# Altium PCB BetaPCB.PcbDoc (part 1 of 2) (continued)
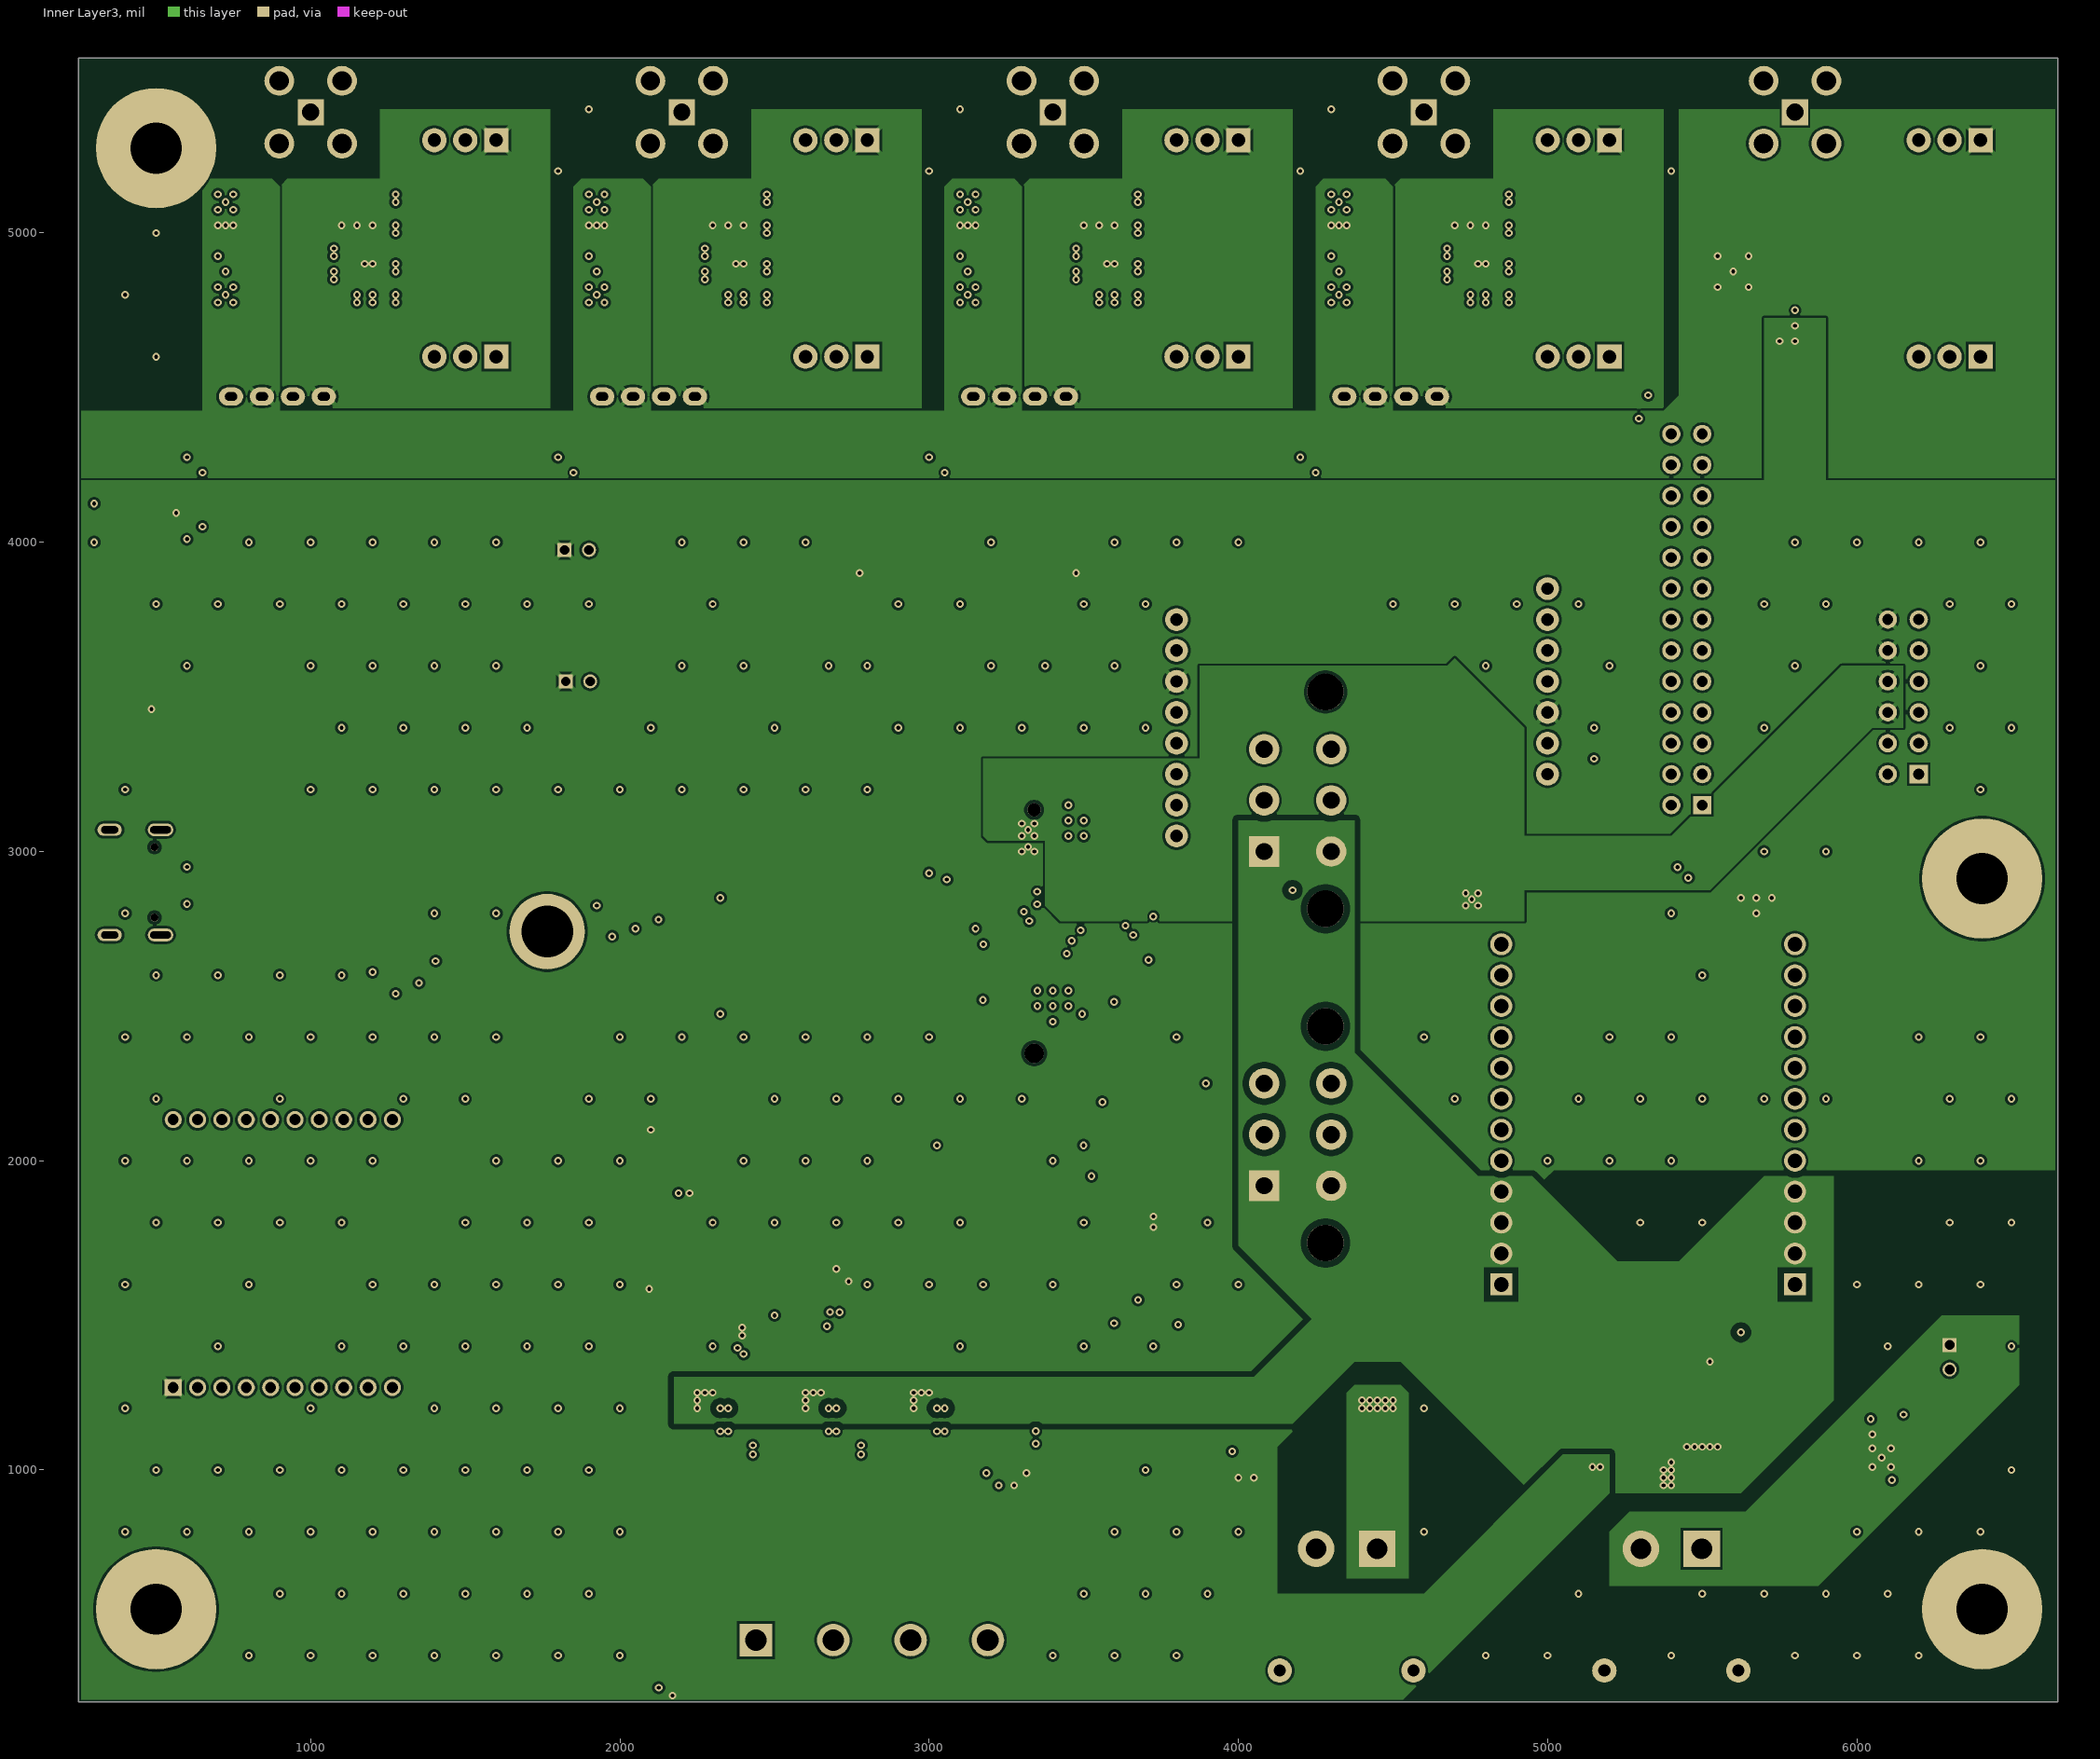
[diagram p3: Inner Layer3]
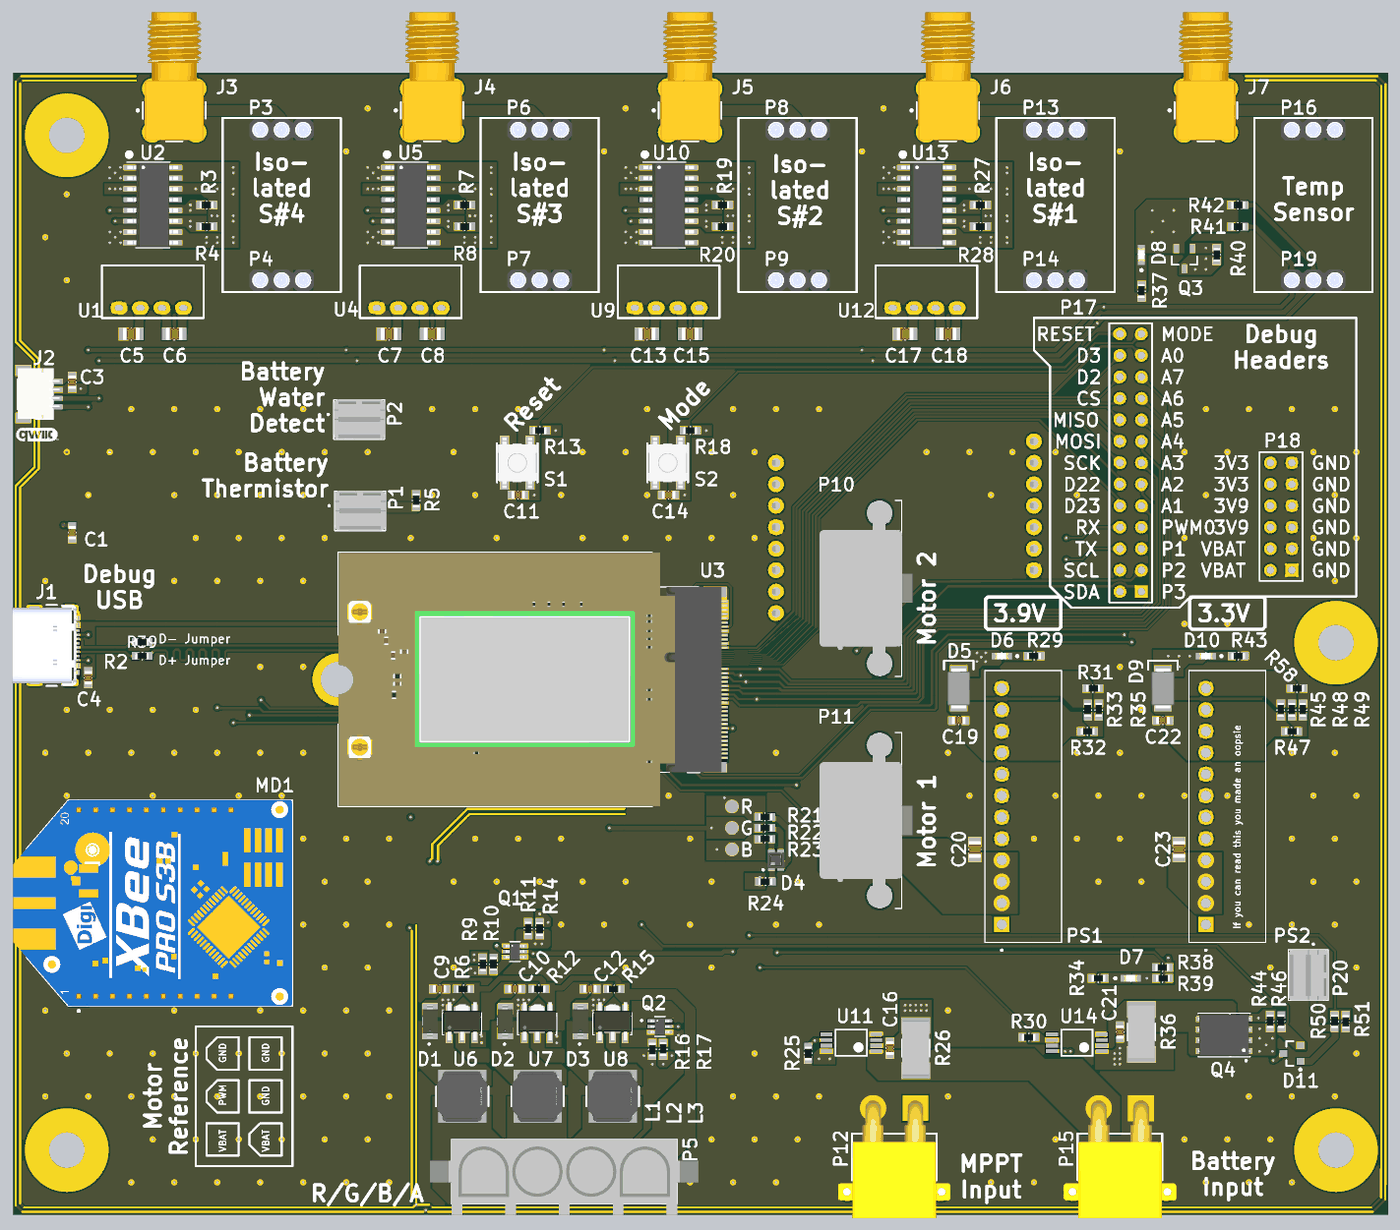
[diagram p5: 3D render of the assembled board from above, using the file's embedded part models]
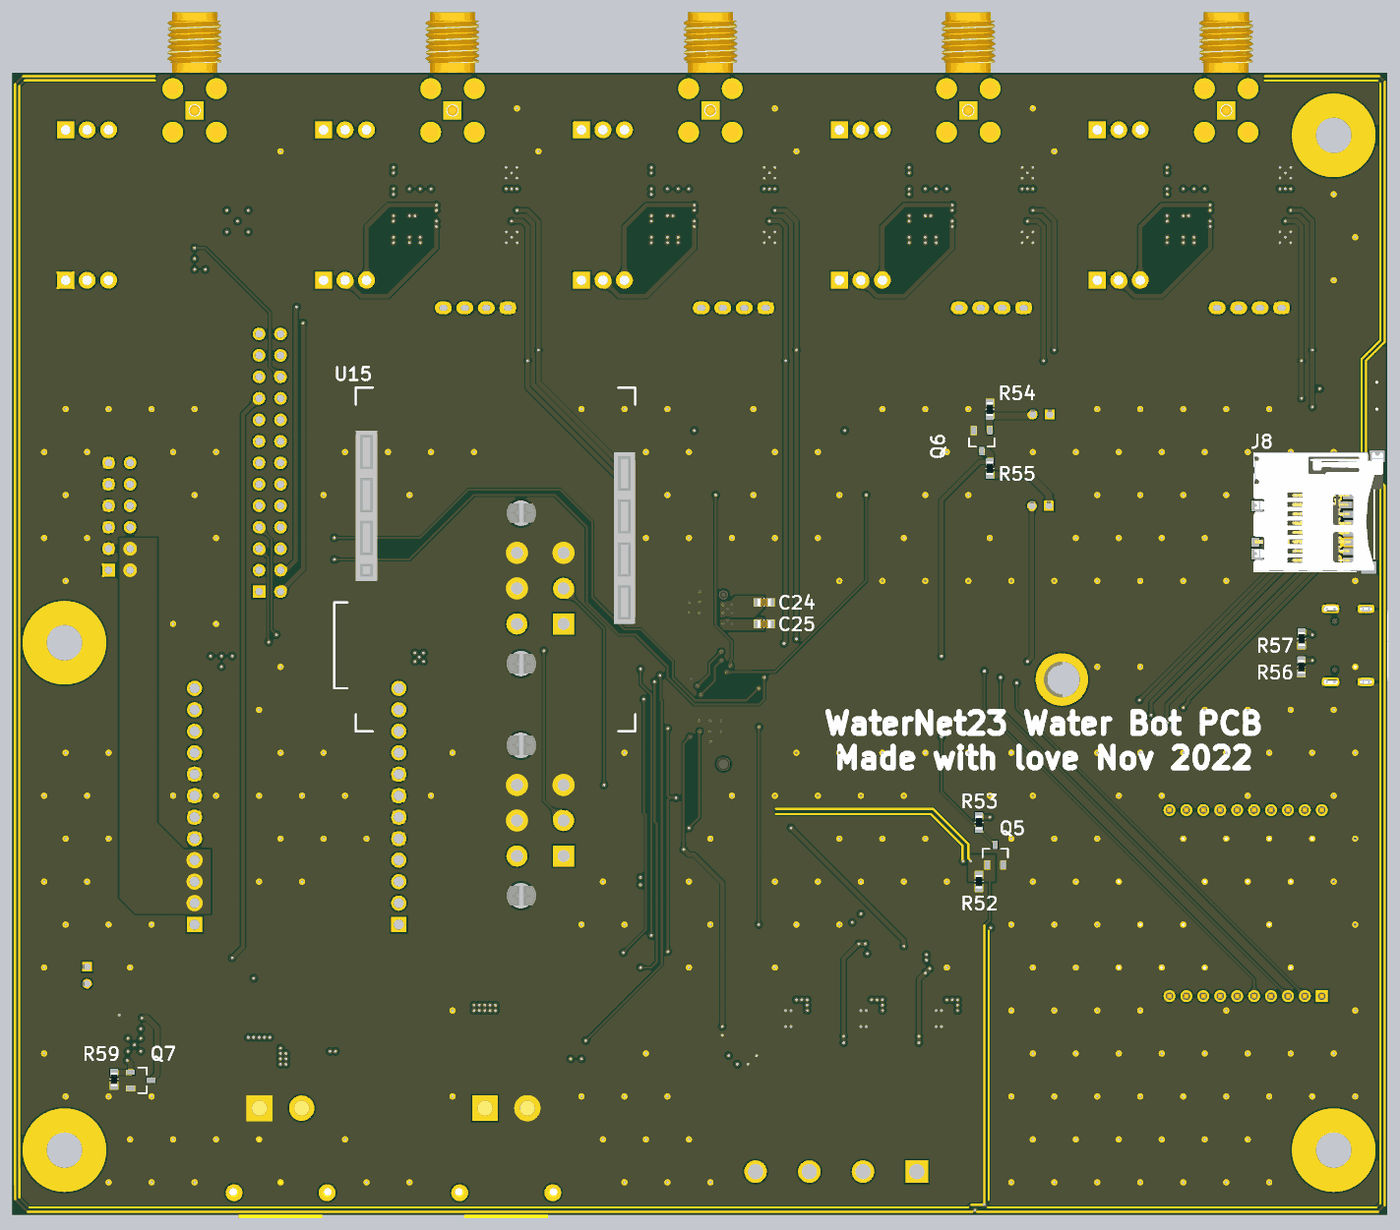
[diagram p6: 3D render of the assembled board from below, using the file's embedded part models]

## Layer stack, top to bottom
Top Solder: solder mask 0.4, Solder Resist, Dk 3.5
Top Layer1: signal copper 1.378
Prepreg1: prepreg 8.2, PP-022, Dk 4.5
Inner Layer2: signal copper 1.378
Core: core 39, Core-042, Dk 4.6
Inner Layer3: signal copper 1.378
Prepreg2: prepreg 8.2, PP-022, Dk 4.5
Bottom Layer4: signal copper 1.378
Bottom Solder: solder mask 0.4, Solder Resist, Dk 3.5

## Board outline
250,250 250,5564.96 6649.21,5564.96 6649.21,250

## Design rules (kind name [scope] priority, off if disabled: settings)
BoardOutlineClearance [All] p1: gap=8 ignorepadtopadclearanceinfootprint=FALSE
Clearance "Water Detect" [InNet('3V3') vs InNet('Board Water')] p1: gap=8 ignorepadtopadclearanceinfootprint=TRUE except(5: Arc-Fill Arc-Poly Arc-Region Arc-Text Track-Fill Track-Poly Track-Region Track-Text SMDPad-SMDPad SMDPad-Fill SMDPad-Poly SMDPad-Region SMDPad-Text THPad-Text Via-Text Fill-Text Poly-Text Region-Text Text-Text; 10: Arc-Arc Arc-Track Arc-Hole Track-Track Track-Hole SMDPad-Via SMDPad-Hole THPad-Via THPad-Hole Via-Via Via-Hole Fill-Hole Poly-Hole Region-Hole Text-Hole)
Clearance "VBAT Power Plane" [InNet('VBAT') And OnLayer('Inner Layer3')] p2: gap=20 ignorepadtopadclearanceinfootprint=TRUE
Clearance "GND Plane" [InNet('GND') And OnLayer('Inner Layer2')] p3: gap=10 ignorepadtopadclearanceinfootprint=TRUE
Clearance [All] p4: gap=8 ignorepadtopadclearanceinfootprint=TRUE except(4.5: Arc-Arc Arc-Track Track-Track; 5: Arc-Fill Arc-Poly Arc-Region Arc-Text Track-Fill Track-Poly Track-Region Track-Text SMDPad-SMDPad SMDPad-Fill SMDPad-Poly SMDPad-Region SMDPad-Text THPad-Text Via-Text Fill-Text Poly-Text Region-Text Text-Text; 10: Arc-Hole Track-Hole SMDPad-Via SMDPad-Hole THPad-Via THPad-Hole Via-Via Via-Hole Fill-Hole Poly-Hole Region-Hole Text-Hole)
DiffPairsRouting [All] p1: maxlimit=20 minlimit=8 mostfreqgap=12 toplayer_minwidth=10 toplayer_maxwidth=15 toplayer_prefwidth=12 midlayer1_minwidth=10 midlayer1_maxwidth=15 midlayer1_prefwidth=12 midlayer2_minwidth=10 midlayer2_maxwidth=15 midlayer2_prefwidth=12 bottomlayer_minwidth=10 bottomlayer_maxwidth=15 bottomlayer_prefwidth=12 maxuncoupledlength=500
HoleSize [All] p1: absolutevalues=TRUE maxlimit=248.03 minlimit=10 maxpercent=80.000 minpercent=20.000
HoleToHoleClearance Vias [IsVia] p1: gap=10 allowstackedmicrovias=TRUE
HoleToHoleClearance [All] p2: gap=20 allowstackedmicrovias=TRUE
MinimumAnnularRing MinimumAnnularRing_1 [All] p1: minimumring=6
MinimumSolderMaskSliver [All] p1: minsoldermaskwidth=9.84
PolygonConnect "Inner GND" [InNet('GND') vs (HasFootprint('XT30_Horizontal') OR HasFootprint('TE_1586039-6'))] p1: connectstyle=Direct reliefconductorwidth=10 reliefentries=4 polygonreliefangle="90 Angle" airgapwidth=10
PolygonConnect "Inner Power" [(InNet('VBAT') OR InNet('Battery_VCC') OR InNet('Batt_Curr_Sense')         OR InNet('Solar_Converter'))] p2: connectstyle=Direct reliefconductorwidth=10 reliefentries=4 polygonreliefangle="90 Angle" airgapwidth=10
PolygonConnect [All] p3: thpad.connectstyle=Relief thpad.reliefconductorwidth=15 thpad.reliefentries=4 thpad.polygonreliefangle="45 Angle" thpad.airgapwidth=8 smdpad.connectstyle=Direct smdpad.reliefconductorwidth=10 smdpad.reliefentries=4 smdpad.polygonreliefangle="90 Angle" smdpad.airgapwidth=10 via.connectstyle=Direct via.reliefconductorwidth=10 via.reliefentries=4 via.polygonreliefangle="90 Angle" via.airgapwidth=10
RoutingVias [All] p1: holewidth=19.68 width=39.37 viastyle="Through Hole" minholewidth=11.81 minwidth=17.72 maxholewidth=157.48 maxwidth=196.85
SilkToSilkClearance [All] p1: silktosilkclearance=6
SilkToSolderMaskClearance [IsPad] p1: minsilkscreentomaskgap=8 clearancetoexposedcopper=TRUE
SolderMaskExpansion [All] p1: expansion=2 istentingtop=FALSE
Width [All] p1: maxlimit=50 minlimit=4.5 preferedwidth=15 midlayer1_minwidth=5 midlayer2_minwidth=5 bottomlayer_minwidth=5 minimp=50.000000 maximp=50.000000 favimp=50.000000
24 further rules are at their usual default settings.

## Classes and differential pairs
component class UserInputs: C1 C3 C4 C11 C14 J1 J2 J8 R13 R18 R56 R57 S1 S2
component class Sensors: C5 C6 C7 C8 C13 C15 C17 C18 J3 J4 J5 J6 J7 P1 P2 P3 P4 P6 P7 P8 P9 P13 P14 P16 P19 Q5 Q6 R3 R4 R5 R7 R8 R19 R20 R27 R28 R41 R42 R52 R53 R54 R55 U1 U2 U4 U5 U9 U10 U12 U13
component class Power: C16 C19 C20 C21 C22 C23 D5 D6 D7 D8 D9 D10 D11 P10 P11 P12 P15 P20 PS1 PS2 Q3 Q4 Q7 R25 R26 R29 R30 R31 R32 R33 R34 R35 R36 R37 R38 R39 R40 R43 R44 R45 R46 R47 R48 R49 R50 R51 R58 R59 U11 U14
component class MainPCB: C2 C24 C25 MD1 P17 P18 R1 R2 U3 U15
component class LEDs: C9 C10 C12 D1 D2 D3 D4 L1 L2 L3 P5 Q1 Q2 R6 R9 R10 R11 R12 R14 R15 R16 R17 R21 R22 R23 R24 U6 U7 U8
differential pair U: +U_P -U_N
differential pair MCU_USB_D: +MCU_USB_D_P -MCU_USB_D_N

## Components (designator, comment, footprint, x,y, rotation, side; value= is the part's Value field where it differs from the comment)
C1 "Capacitor" ANTC1608X90N 525,3425 r90 top value="1uF, 6.3V" (schematic designator C7)
C2 "Capacitor" ANTC1608X90N 500,1369.29 r270 top value="1uF, 6.3V" (schematic designator C3)
C3 "Capacitor" ANTC1608X90N 525,4125 r270 top value="1uF, 6.3V" (schematic designator C12)
C4 "Capacitor" ANTC1608X90N 600,2750 r90 top value="1uF, 6.3V" (schematic designator C6)
C5 "Capacitor" CAPC2012X145N 800,4350 r180 top value="10uF, 50V" (schematic designator C40)
C6 "Capacitor" CAPC2012X145N 1000,4350 r0 top value="10uF, 50V" (schematic designator C41)
C7 "Capacitor" CAPC2012X145N 2000,4350 r180 top value="10uF, 50V" (schematic designator C38)
C8 "Capacitor" CAPC2012X145N 2200,4350 r0 top value="10uF, 50V" (schematic designator C39)
C9 "Capacitor" ANTC1608X90N 2235,1300 r0 top value="4.7uF, 25V" (schematic designator C31)
C10 "Capacitor" ANTC1608X90N 2585,1300 r0 top value="4.7uF, 25V" (schematic designator C32)
C11 "Capacitor" ANTC1608X90N 2600,3600 r0 top value="0.1uF, 6V" (schematic designator C4)
C12 "Capacitor" ANTC1608X90N 2935,1300 r0 top value="4.7uF, 25V" (schematic designator C33)
C13 "Capacitor" CAPC2012X145N 3200,4350 r180 top value="10uF, 50V" (schematic designator C36)
C14 "Capacitor" ANTC1608X90N 3300,3600 r0 top value="0.1uF, 6V" (schematic designator C5)
C15 "Capacitor" CAPC2012X145N 3400,4350 r0 top value="10uF, 50V" (schematic designator C37)
C16 "Capacitor" ANTC1608X90N 4330,1025 r90 top value="0.1uF, 6V" (schematic designator C23)
C17 "Capacitor" CAPC2012X145N 4400,4350 r180 top value="10uF, 50V" (schematic designator C34)
C18 "Capacitor" CAPC2012X145N 4600,4350 r0 top value="10uF, 50V" (schematic designator C35)
C19 "Capacitor" ANTC1608X90N 4650,2550 r0 top value=22uF (schematic designator C11)
C20 "Capacitor" CAPC2012X145N 4725,1950 r270 top value="10uF, 50V" (schematic designator C10)
C21 "Capacitor" ANTC1608X90N 5400,1100 r90 top value="0.1uF, 6V" (schematic designator C15)
C22 "Capacitor" ANTC1608X90N 5600,2550 r0 top value=22uF (schematic designator C9)
C23 "Capacitor" CAPC2012X145N 5675,1950 r270 top value="10uF, 50V" (schematic designator C8)
C24 "Capacitor" ANTC1608X90N 3150,3100 r0 bottom value="1uF, 6.3V" (schematic designator C1)
C25 "Capacitor" ANTC1608X90N 3150,3000 r0 bottom value="1uF, 6.3V" (schematic designator C2)
D1 ">2A peak, >400mA cont." DIO_SS26FL 2189.99,1150 r90 top (schematic designator D2)
D2 ">2A peak, >400mA cont." DIO_SS26FL 2539.99,1150 r90 top (schematic designator D3)
D3 ">2A peak, >400mA cont." DIO_SS26FL 2889.99,1150 r90 top (schematic designator D4)
D4 "CLMVC-FKA-CL1D1L71BB7C3C3" LED_CLMVC-FKA-CL1D1L71BB7C3C3 3800,1900 r90 top (schematic designator D5)
D5 "PMEG3030EP" SODFL470X110-2N 4650,2700 r270 top (schematic designator D7)
D6 "150060RS75000" FP-150060RS75000-MFG 4850,2850 r180 top (schematic designator D10)
D7 "150060RS75000" FP-150060RS75000-MFG 5450,1350 r0 top (schematic designator D8)
D8 "150060RS75000" FP-150060RS75000-MFG 5500,4718.5 r90 top (schematic designator D11)
D9 "PMEG3030EP" SODFL470X110-2N 5600,2700 r270 top (schematic designator D6)
D10 "150060RS75000" FP-150060RS75000-MFG 5800,2850 r180 top (schematic designator D9)
D11 "BAV23CLT1G" ONSC-SOT-23-3-318-08_V 6200,1000 r180 top (schematic designator D1)
J1 "USB4105-GF-A" GCT_USB4105-GF-A 350,2900 r270 top
J2 "QUIIC Connector" JST_SM04B-SRSS-TB(LF)(SN) 450,4069.68 r270 top (schematic designator J8)
J3 "PCB.SMAFRA.HT" FP-PCB_SMAFRA_HT-MFG 1000,5550 r0 top (schematic designator J7)
J4 "PCB.SMAFRA.HT" FP-PCB_SMAFRA_HT-MFG 2200,5550 r0 top (schematic designator J6)
J5 "PCB.SMAFRA.HT" FP-PCB_SMAFRA_HT-MFG 3400,5550 r0 top
J6 "PCB.SMAFRA.HT" FP-PCB_SMAFRA_HT-MFG 4600,5550 r0 top (schematic designator J3)
J7 "PCB.SMAFRA.HT" FP-PCB_SMAFRA_HT-MFG 5800,5550 r0 top (schematic designator J4)
J8 "uSD  SPI Mode" GCT_MEM2051-00-195-00-A 571.62,3520.16 r90 bottom (schematic designator J2)
L1 "NR6028T101M" FP-NR6028-MFG 2339.99,800 r270 top
L2 "NR6028T101M" FP-NR6028-MFG 2689.99,800 r270 top
L3 "NR6028T101M" FP-NR6028-MFG 3039.99,800 r270 top
MD1 "XBP9B-DMUTB002" FP-XBP9B-DMUTB002-MFG 900,1700 r90 top
P1 "Battery Thermistor" TE_6-440054-2 1825,3550 r0 top (schematic designator P25)
P2 "Battery Water Detect" TE_6-440054-2 1820.98,3975 r0 top (schematic designator P20)
P3 "Sensor Probe Side" "1x3 Header" 1600,5300 r180 top (schematic designator P15)
P4 "Sensor MCU Side" "1x3 Header" 1600,4600 r180 top (schematic designator P16)
P5 "LED Header" TE_350761-4 2439.99,450 r90 top (schematic designator P6)
P6 "Sensor Probe Side" "1x3 Header" 2800,5300 r180 top (schematic designator P13)
P7 "Sensor MCU Side" "1x3 Header" 2800,4600 r180 top (schematic designator P14)
P8 "Sensor Probe Side" "1x3 Header" 4000,5300 r180 top (schematic designator P11)
P9 "Sensor MCU Side" "1x3 Header" 4000,4600 r180 top (schematic designator P12)
P10 "Motor 1" TE_1586039-6 4083.46,3000 r90 top (schematic designator P4)
P11 "Motor 2" TE_1586039-6 4083.46,1919.29 r90 top (schematic designator P5)
P12 "Solar Panel Converter" XT30_Horizontal 4350,450 r180 top (schematic designator P3)
P13 "Sensor Probe Side" "1x3 Header" 5200,5300 r180 top (schematic designator P7)
P14 "Sensor MCU Side" "1x3 Header" 5200,4600 r180 top (schematic designator P9)
P15 "Board Pwr, XT30" XT30_Horizontal 5400,450 r180 top (schematic designator P1)
P16 "Sensor Probe Side" "1x3 Header" 6400,5300 r180 top (schematic designator P10)
P17 "Header 13X2" HDR2X13 5500,3150 r90 top
P18 "Power Debug" HDR2X6 6200,3250 r90 top
P19 "Sensor MCU Side" "1x3 Header" 6400,4600 r180 top (schematic designator P8)
P20 "Pwr Button" TE_6-440054-2 6300,1404.02 r270 top (schematic designator P2)
PS1 "K7803-3AR3" CONV_K7803-3AR3 4950.2,2150 r90 top (schematic designator PS2)
PS2 "K7803-3AR3" CONV_K7803-3AR3 5900.2,2150 r90 top (schematic designator PS1)
Q1 "TSM2N7002KDCU6_RFG" SOT65P210X110-6N 2585.04,1474.41 r0 top (schematic designator Q4)
Q2 "TSM2N7002KDCU6_RFG" SOT65P210X110-6N 3260.04,1125.59 r0 top (schematic designator Q5)
Q3 "YJL3415A" SOT23-3 5700,4700 r270 top (schematic designator Q2)
Q4 "SI7463DP" SIR165DP 5885,1086 r180 top
Q5 "YJL3400A" SOT23-3 2075,1925 r90 bottom (schematic designator Q3)
Q6 "YJL3400A" SOT23-3 2137.4,3852.76 r270 bottom
Q7 "YJL3400A" SOT23-3 6050,875 r180 bottom
R1 "Resistor" "0603 Resistor" 850,2915 r0 top value=0R (schematic designator R39)
R2 "Resistor" "0603 Resistor" 850,2850 r0 top value=0R (schematic designator R38)
R3 "Resistor" "0603 Resistor" 1150,4950 r0 top value=10k (schematic designator R34)
R4 "Resistor" "0603 Resistor" 1150,4850 r0 top value=10k (schematic designator R35)
R5 "Resistor" "0603 Resistor" 2125,3575 r270 top value=10k (schematic designator R57)
R6 "Resistor" "0603 Resistor" 2345,1300 r0 top value=1R (schematic designator R23)
R7 "Resistor" "0603 Resistor" 2350,4950 r0 top value=10k (schematic designator R32)
R8 "Resistor" "0603 Resistor" 2350,4850 r0 top value=10k (schematic designator R33)
R9 "Resistor" "0603 Resistor" 2435.52,1414.92 r90 top value=50k (schematic designator R40)
R10 "Resistor" "0603 Resistor" 2485,1417 r270 top value=100k (schematic designator R50)
R11 "Resistor" "0603 Resistor" 2646,1582 r270 top value=100k (schematic designator R51)
R12 "Resistor" "0603 Resistor" 2695,1300 r0 top value=1R (schematic designator R24)
R13 "Resistor" "0603 Resistor" 2700,3900 r0 top value=100k (schematic designator R1)
R14 "Resistor" "0603 Resistor" 2700.63,1579.45 r90 top value=50k (schematic designator R41)
R15 "Resistor" "0603 Resistor" 3045,1300 r0 top value=1R (schematic designator R25)
R16 "Resistor" "0603 Resistor" 3225,1018 r90 top value=100k (schematic designator R52)
R17 "Resistor" "0603 Resistor" 3274.37,1020.55 r270 top value=50k (schematic designator R42)
R18 "Resistor" "0603 Resistor" 3400,3900 r0 top value=100k (schematic designator R2)
R19 "Resistor" "0603 Resistor" 3550,4950 r0 top value=10k (schematic designator R28)
R20 "Resistor" "0603 Resistor" 3550,4850 r0 top value=10k (schematic designator R29)
R21 "Resistor" "0603 Resistor" 3750,2102 r180 top value=330R (schematic designator R43)
R22 "Resistor" "0603 Resistor" 3750,2050 r180 top value=330R (schematic designator R44)
R23 "Resistor" "0603 Resistor" 3750,1999 r180 top value=330R (schematic designator R45)